# KiCad board keyboard.kicad_pcb (continued)
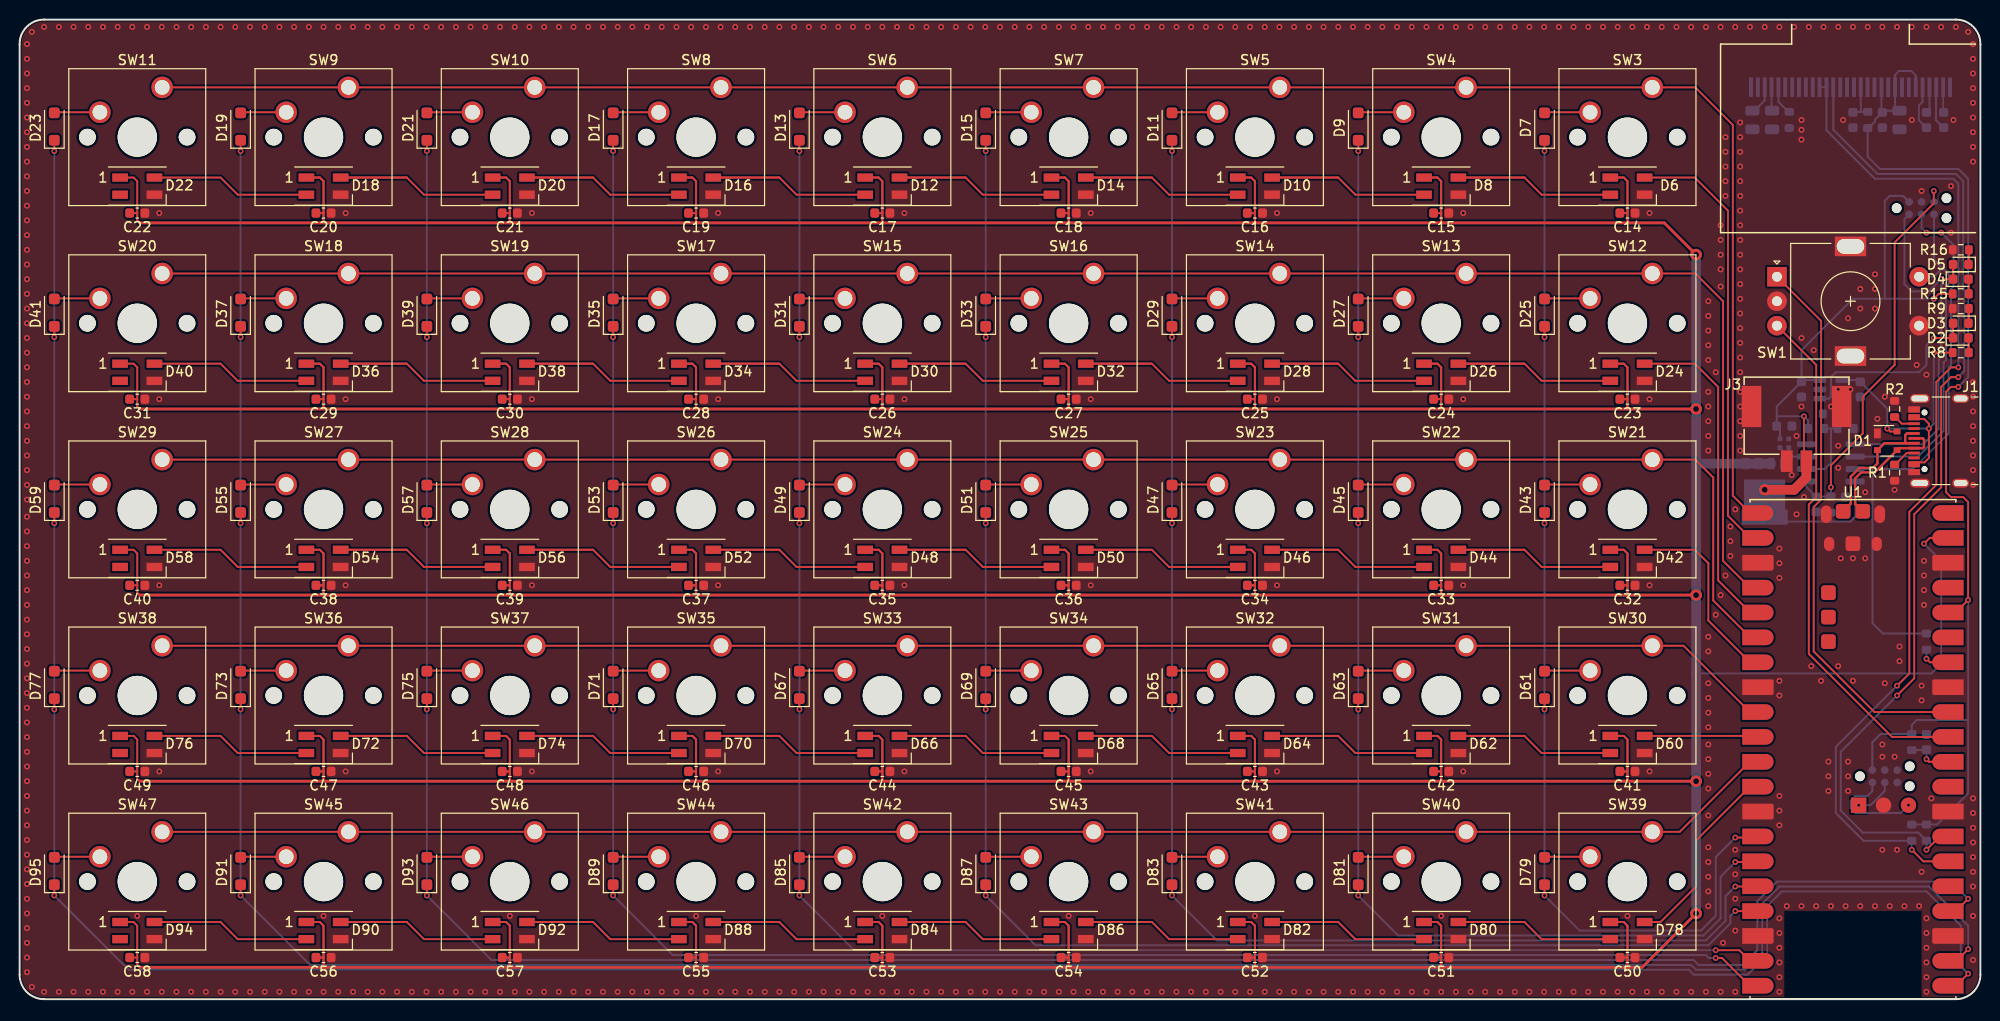
[diagram p0: board, top side]
## Routing (per net, layer and track width the routed paths; a pad name or vN(x,y) marks a point on that pad's centre or on a via; arc(x,y) is an arc through that point) (continued)
/sw_c7: length 129.6
  Top w0.2: D63.1 v1(136.54,29.58) ; D45.1 v1(136.54,48.58) ; v1(175,14) 177.24,14 U1.15 ; D27.1 v1(136.54,67.58) ; D9.1 v1(136.54,86.58) ; D81.1 v1(136.54,10.58)
  Bottom w0.2: v1(136.54,86.58) v1(136.54,10.58) 140.62,6.5 171.75,6.5 173.5,8.25 173.5,12.5 v1(175,14)
/sw_c8: length 112.2
  Top w0.2: U1.14 177.2,16.5 v1(175,16.5) ; D25.1 v1(155.54,67.58) ; D7.1 v1(155.54,86.58) ; D79.1 v1(155.54,10.58) ; D61.1 v1(155.54,29.58) ; D43.1 v1(155.54,48.58)
  Bottom w0.2: v1(155.54,86.58) v1(155.54,10.58) 159.12,7 171.5,7 173,8.5 173,14.5 v1(175,16.5)
/sw_r0: length 202.9
  Top w0.2: U1.1 176.52,49.63 174.75,51.4 174.75,89.25 170.92,93.08 SW3.1 SW11.1
/sw_r1: length 191.6
  Top w0.2: U1.4 176.49,42.01 173.75,44.75 173.75,71.25 170.92,74.08 SW12.1 SW20.1
/sw_r2: length 177.6
  Top w0.2: SW29.1 SW21.1 170.92,55.08 172.75,53.25 172.75,40.7 176.52,36.93 U1.6
/sw_r3: length 165.6
  Top w0.2: SW38.1 SW30.1 169.72,36.08 176.49,29.31 U1.9
/sw_r4: length 165.7
  Top w0.2: U1.11 176.48,24.23 169.33,17.08 SW39.1 SW47.1
/SWCLK: length 4.1
  Bottom w0.2: J2.4 190.25,21.25 188.8,19.8 v1(187.58,19.8)
/SWDIO: length 10.7
  Bottom w0.2: v1(192.66,19.8) 191.86,19 187.25,19 186.75,19.5 186.75,20.25 187.25,20.75 188.5,20.75 188.98,21.23 J2.2
/tiny_rst: length 40.1
  Top w0.2: v1(184.75,52.25) 184.75,54.5 188,57.75 188,61.5 191.25,64.75 191.25,77.25 195.25,81.25 v1(195.25,82.5)
  Bottom w0.2: J4.5 195.25,81.41 v1(195.25,82.5) ; v1(184.75,52.25) R14.2 183.3,51.32 C12.1 182.27,52.25 U4.1
/watchdog: length 57.5
  Top w0.2: v1(194.5,78.25) v1(196,78.25)
  Bottom w0.2: 189,54.12 189,38.38 190.05,37.32 R4.2 ; 189,54.12 193.12,54.12 196.75,57.75 196.75,64.5 197,64.75 197,72.5 197.25,72.75 197.25,77 v1(196,78.25) ; 189,54.12 U4.7 ; v1(194.5,78.25) 194,78.75 J4.4
Net-(D2-A): length 1.5
  Top w0.2: R8.1 198.82,67.46 D2.2
Net-(D2-K): length 20
  Top w0.2: v1(195.25,67.5) D2.1 D3.2
  Bottom w0.2: U6.1 184.55,61.3 184.75,61.5 184.75,63.5 185.25,64 193.75,64 194.5,64.75 194.5,66.75 v1(195.25,67.5)
Net-(D3-K): length 1.5
  Top w0.2: D3.1 198.82,69.04 R9.1
Net-(D4-A): length 1.5
  Top w0.2: R15.2 198.82,73.46 D4.2
Net-(D5-K): length 1.5
  Top w0.2: D5.1 198.82,75.04 R16.1
Net-(D7-A): length 4.7
  Top w0.2: SW3.2 155.6,90.54 D7.2
Net-(D9-A): length 4.7
  Top w0.2: D9.2 136.6,90.54 SW4.2
Net-(D11-A): length 4.7
  Top w0.2: D11.2 117.6,90.54 SW5.2
Net-(D13-A): length 4.7
  Top w0.2: D13.2 79.6,90.54 SW6.2
Net-(D15-A): length 4.7
  Top w0.2: SW7.2 98.6,90.54 D15.2
Net-(D17-A): length 4.7
  Top w0.2: D17.2 60.6,90.54 SW8.2
Net-(D19-A): length 4.7
  Top w0.2: SW9.2 22.6,90.54 D19.2
Net-(D21-A): length 4.7
  Top w0.2: SW10.2 41.6,90.54 D21.2
Net-(D23-A): length 4.7
  Top w0.2: SW11.2 3.6,90.54 D23.2
Net-(D25-A): length 4.7
  Top w0.2: SW12.2 155.6,71.54 D25.2
Net-(D27-A): length 4.7
  Top w0.2: D27.2 136.6,71.54 SW13.2
Net-(D29-A): length 4.7
  Top w0.2: D29.2 117.6,71.54 SW14.2
Net-(D31-A): length 4.7
  Top w0.2: SW15.2 79.6,71.54 D31.2
Net-(D33-A): length 4.7
  Top w0.2: SW16.2 98.6,71.54 D33.2
Net-(D35-A): length 4.7
  Top w0.2: SW17.2 60.6,71.54 D35.2
Net-(D37-A): length 4.7
  Top w0.2: SW18.2 22.6,71.54 D37.2
Net-(D39-A): length 4.7
  Top w0.2: D39.2 41.6,71.54 SW19.2
Net-(D41-A): length 4.7
  Top w0.2: SW20.2 3.6,71.54 D41.2
Net-(D43-A): length 4.7
  Top w0.2: SW21.2 155.6,52.54 D43.2
Net-(D45-A): length 4.7
  Top w0.2: SW22.2 136.6,52.54 D45.2
Net-(D47-A): length 4.7
  Top w0.2: D47.2 117.6,52.54 SW23.2
Net-(D49-A): length 4.7
  Top w0.2: D49.2 79.6,52.54 SW24.2
Net-(D51-A): length 4.7
  Top w0.2: D51.2 98.6,52.54 SW25.2
Net-(D53-A): length 4.7
  Top w0.2: D53.2 60.6,52.54 SW26.2
Net-(D55-A): length 4.7
  Top w0.2: SW27.2 22.6,52.54 D55.2
Net-(D57-A): length 4.7
  Top w0.2: SW28.2 41.6,52.54 D57.2
Net-(D59-A): length 4.7
  Top w0.2: D59.2 3.6,52.54 SW29.2
Net-(D61-A): length 4.7
  Top w0.2: D61.2 155.6,33.54 SW30.2
Net-(D63-A): length 4.7
  Top w0.2: SW31.2 136.6,33.54 D63.2
Net-(D65-A): length 4.7
  Top w0.2: D65.2 117.6,33.54 SW32.2
Net-(D67-A): length 4.7
  Top w0.2: D67.2 79.6,33.54 SW33.2
Net-(D69-A): length 4.7
  Top w0.2: D69.2 98.6,33.54 SW34.2
Net-(D71-A): length 4.7
  Top w0.2: D71.2 60.6,33.54 SW35.2
Net-(D73-A): length 4.7
  Top w0.2: SW36.2 22.6,33.54 D73.2
Net-(D75-A): length 4.7
  Top w0.2: D75.2 41.6,33.54 SW37.2
Net-(D77-A): length 4.7
  Top w0.2: D77.2 3.6,33.54 SW38.2
Net-(D79-A): length 4.7
  Top w0.2: SW39.2 155.6,14.54 D79.2
Net-(D81-A): length 4.7
  Top w0.2: SW40.2 136.6,14.54 D81.2
Net-(D83-A): length 4.7
  Top w0.2: SW41.2 117.6,14.54 D83.2
Net-(D85-A): length 4.7
  Top w0.2: SW42.2 79.6,14.54 D85.2
Net-(D87-A): length 4.7
  Top w0.2: D87.2 98.6,14.54 SW43.2
Net-(D89-A): length 4.7
  Top w0.2: SW44.2 60.6,14.54 D89.2
Net-(D91-A): length 4.7
  Top w0.2: D91.2 22.6,14.54 SW45.2
Net-(D93-A): length 4.7
  Top w0.2: D93.2 41.6,14.54 SW46.2
Net-(D95-A): length 4.7
  Top w0.2: SW47.2 3.6,14.54 D95.2
Net-(J1-CC1): length 2.5
  Top w0.2: J1.A5 192.49,55.75 191.31,54.57 R1.1
Net-(J1-CC2): length 2.3
  Top w0.2: J1.B5 191.99,58.75 191.31,59.43 R2.1
Net-(Q1-G): length 1.8
  Bottom w0.2: U5.4 179.91,55.94 Q1.4
Net-(U1-GP28): length 3.3
  Top w0.2: U1.34 194.86,34.39 v1(194.5,34.75)
  Bottom w0.2: R4.1 v1(194.5,34.75)
Net-(U1-RUN): length 4.8
  Top w0.2: U1.30 194.77,24.23 v1(194.5,24.5)
  Bottom w0.2: R3.2 194.45,25.43 C1.1 v1(194.5,24.5)
Net-(U3-C1N): length 4.6
  Bottom w0.2: U3.5 194.1,91.6 193.73,91.22 193.73,89.72 194.48,88.97 C7.2
Net-(U3-C1P): length 2.7
  Bottom w0.2: U3.4 194.8,90.83 C7.1
Net-(U3-C2N): length 4.5
  Bottom w0.2: U3.3 195.48,93.08 195.48,89.72 196.23,88.97 C6.2
Net-(U3-C2P): length 2.6
  Bottom w0.2: C6.1 196.2,90.58 U3.2
Net-(U3-IREF): length 3
  Bottom w0.2: R10.1 180.43,90.58 179.4,91.6 U3.26
Net-(U3-RST): length 4.1
  Bottom w0.2: C9.1 187.05,90.58 187.75,90.58 ; 187.75,90.58 187.8,90.62 U3.14 ; 187.75,90.58 R11.2
Net-(U3-VCOMH): length 2.4
  Bottom w0.2: C8.1 178.7,90.75 U3.27
Net-(U3-VDisplay): length 3
  Bottom w0.2: U3.28 178,91.75 176.95,90.7 C10.1
Net-(U6-PROG): length 1.9
  Bottom w0.2: R7.1 185.57,61.3 U6.5

## Copper pours and planes (outline as drawn; the poured copper is in the pictures)
GND on Top, Bottom: 0,100 0,0 200,0 200,100

## Text on the board
B.Silkscreen: keyboard - matt tran
